# KiCad board panel.kicad_pcb (continued)
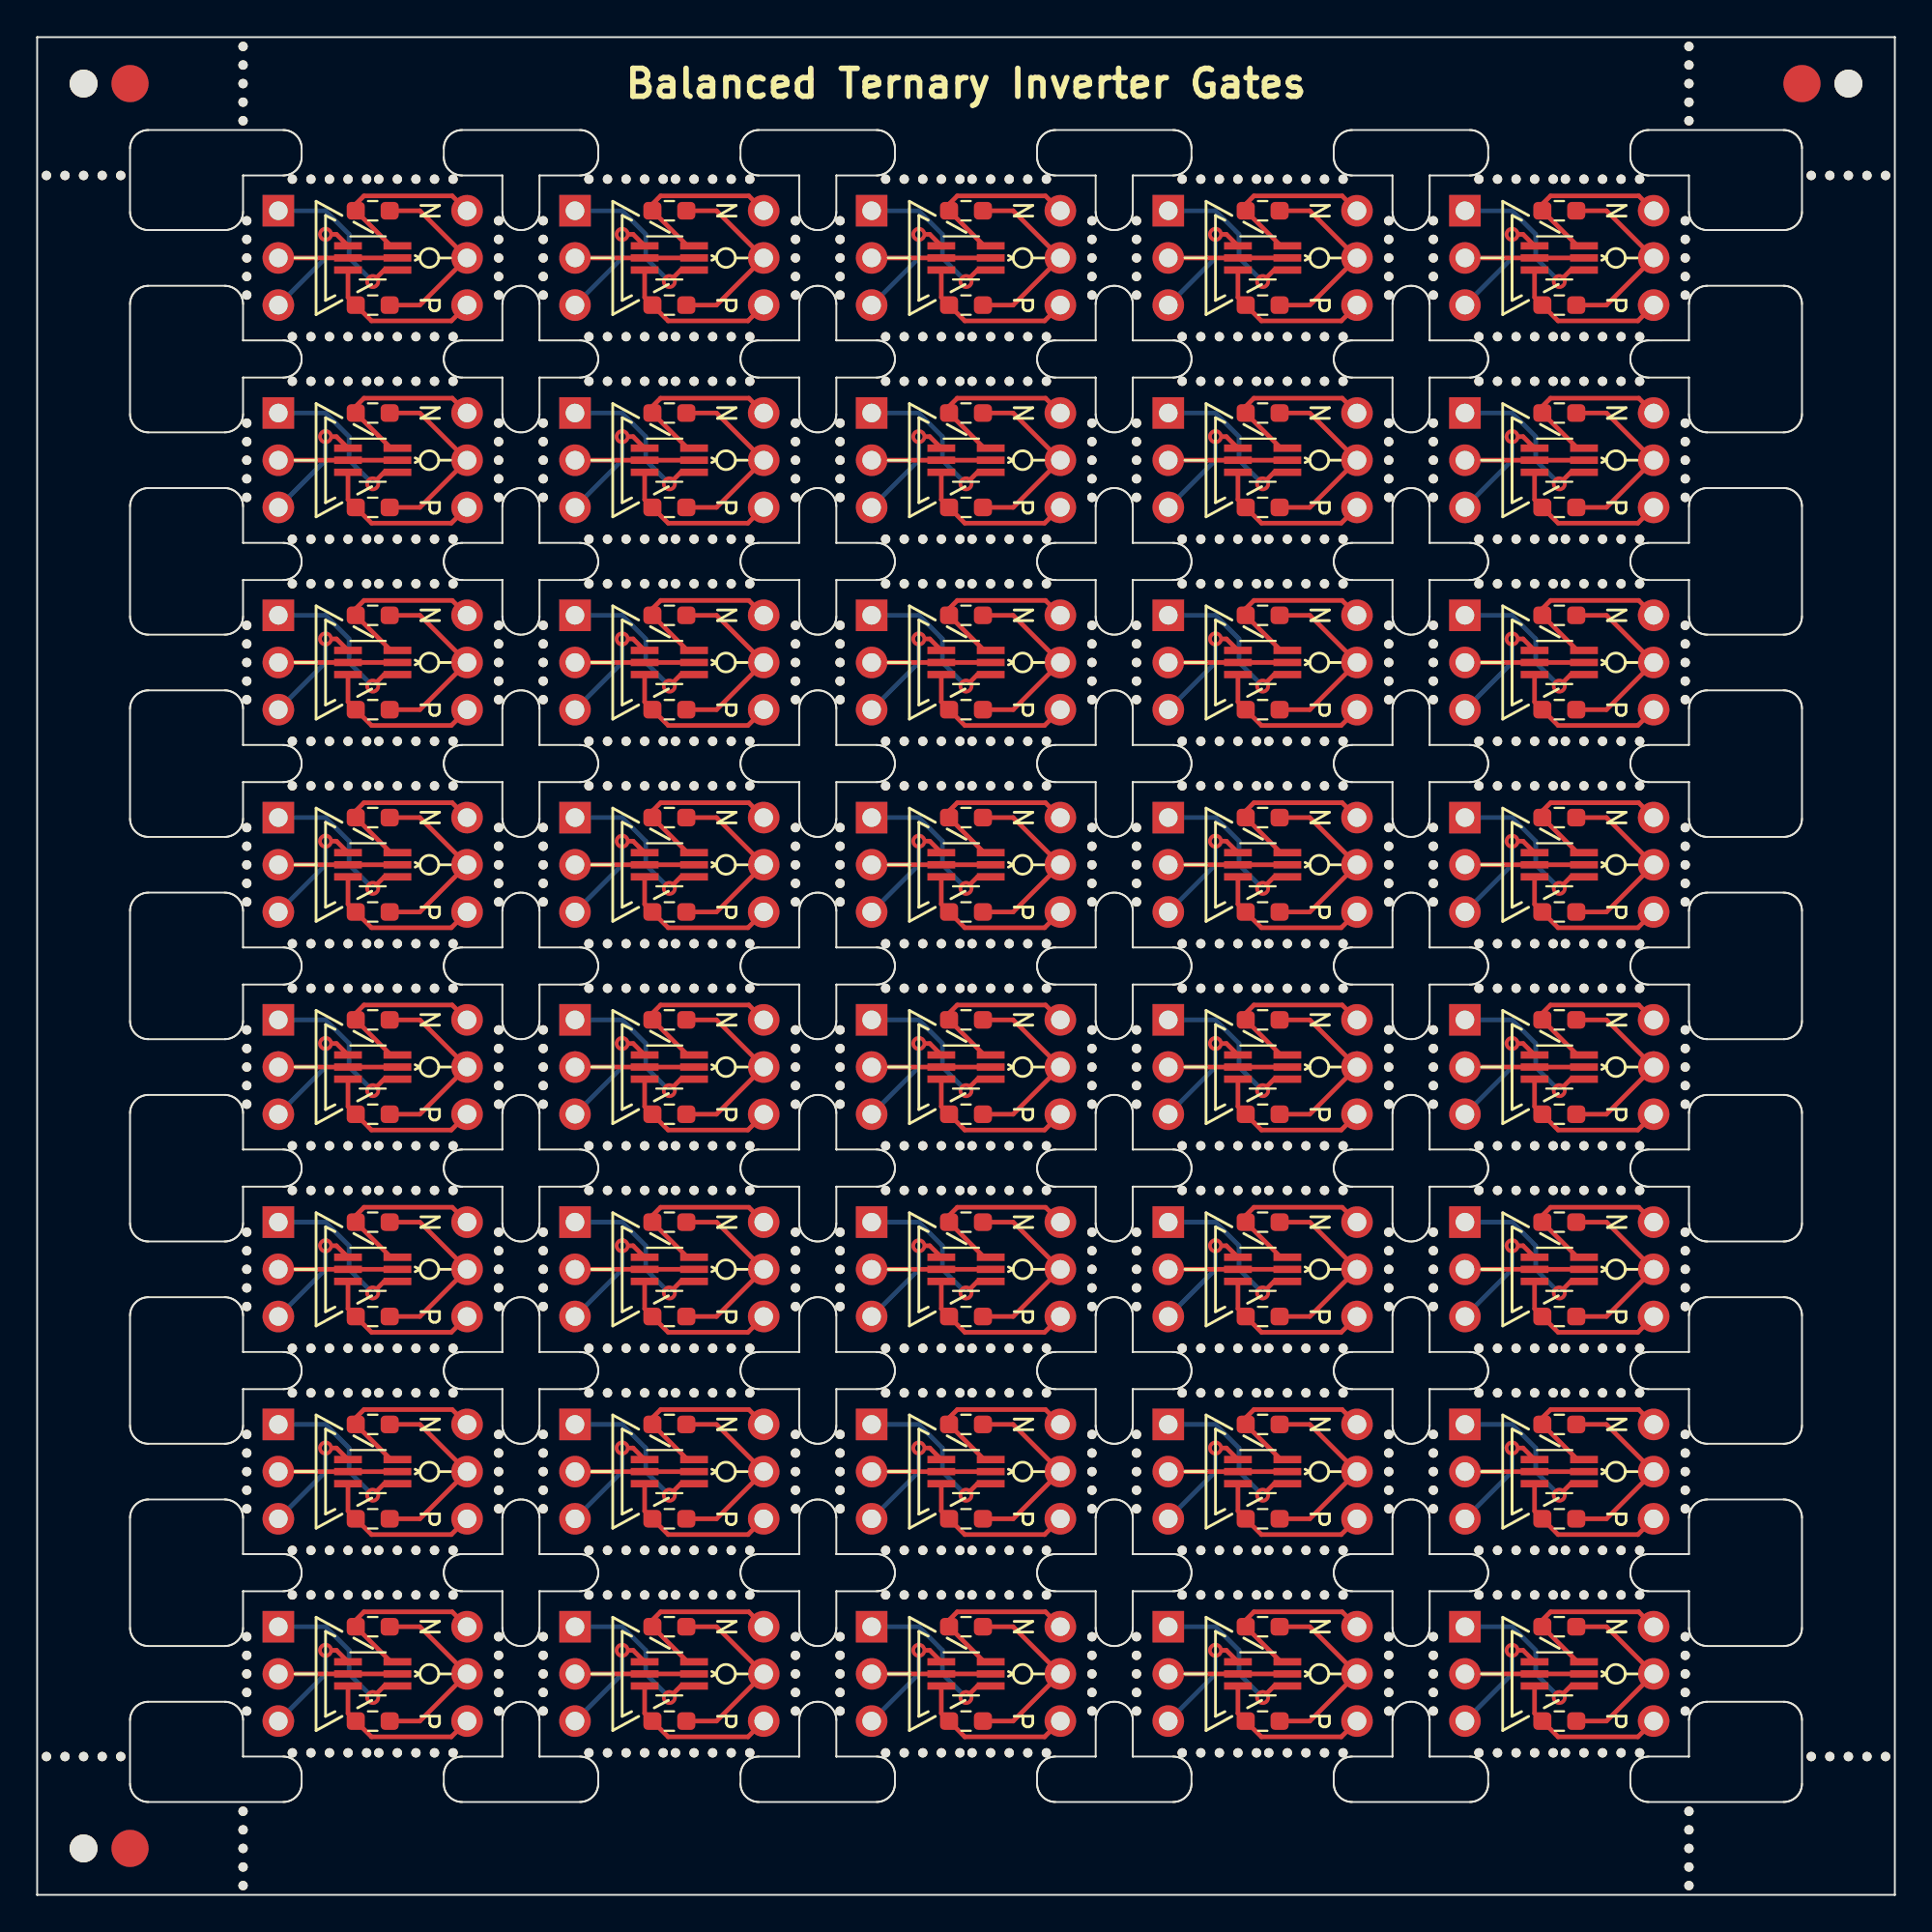
[diagram p0: board, top side]
## Routing (per net, layer and track width the routed paths; a pad name or vN(x,y) marks a point on that pad's centre or on a via; arc(x,y) is an arc through that point) (continued)
Board_39-VDD: length 9
  Top w0.25: v1(81.94,10.63) 82.56,11.25 83.28,11.25
  Bottom w0.25: J1#9.1 79.41,14.44 80.67,13.17 80.67,11.9 v1(81.94,10.63)
Board_39-VSS: length 6.3
  Top w0.25: Q1#22.1 80,13.17 v1(79.41,13.17)
  Bottom w0.25: v1(79.41,13.17) 79.41,11.9 J1#9.3

## Text on the board
B.Silkscreen: N | P
F.Silkscreen: N | P | Balanced Ternary Inverter Gates
